# KiCad board LittleSixteen.kicad_pcb (continued)
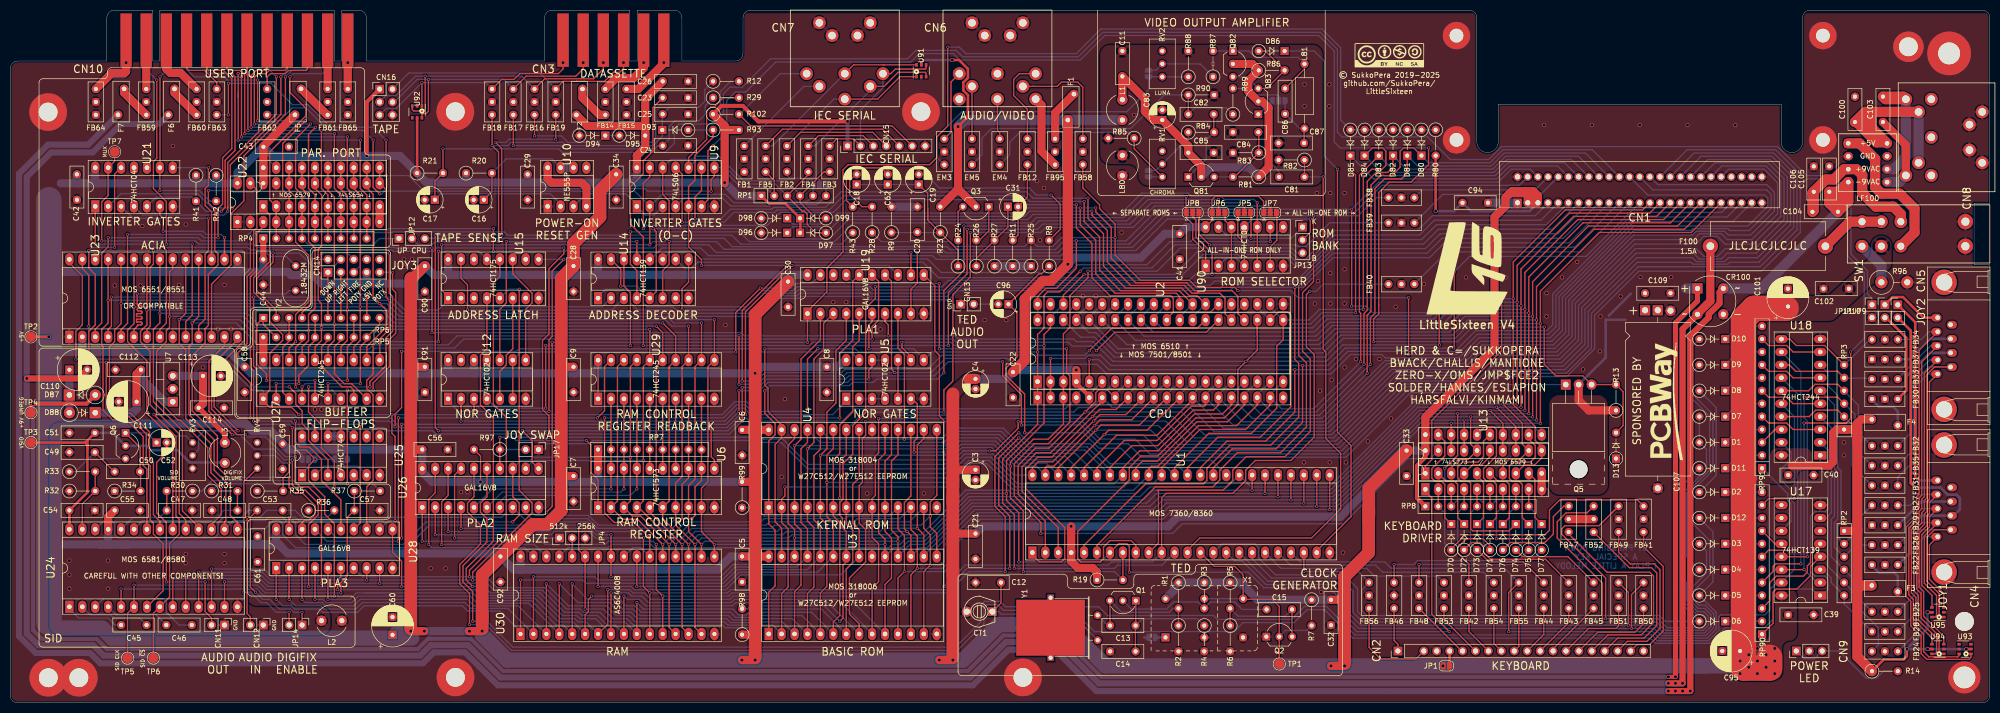
[diagram p0: board, top side]
## Nets (continued)
Net-(R35-Pad2): R35.2 RV4.2
Net-(R37-Pad2): R37.2 U25.5
Net-(R96-Pad1): R96.1 SW1.3
Net-(RP5-Pad2): RP5.2 RP6.1 U27.5
Net-(RP5-Pad3): RP5.3 RP6.3 U27.3
Net-(RP5-Pad4): RP5.4 U27.7
Net-(RP5-Pad5): RP5.5 RP6.5 U27.2
Net-(RP5-Pad6): RP5.6 U27.8
Net-(RP5-Pad7): RP5.7 U27.9
Net-(RP5-Pad8): RP5.8 RP6.8 U27.4
Net-(RP5-Pad9): RP5.9 RP6.10 U27.6
Net-(RP90-Pad1): RP90.1 U17.4
Net-(RP90-Pad3): RP90.3 U17.5
Net-(RP90-Pad9): RP90.9 U17.12
Net-(RP91-Pad1): RP91.1 U17.11
Net-(RV1-Pad1): RV1.1
Net-(RV2-Pad1): RV2.1
Net-(RV4-Pad3): RV4.3
Net-(U5-Pad2): U5.2 U5.3 U5.4
Net-(U5-Pad10): U5.5 U5.10
Net-(U10-Pad5): U10.5
Net-(U12-Pad1): U12.1 U15.9
Net-(U12-Pad4): U12.4 U14.14
Net-(U12-Pad5): U12.5 U15.6
Net-(U12-Pad8): U12.8 U15.11
Net-(U12-Pad10): U12.10 U14.13
Net-(U12-Pad13): U12.13
Net-(U14-Pad2): U14.2 U15.2
Net-(U14-Pad3): U14.3 U15.15
Net-(U15-Pad3): U15.3
Net-(U15-Pad7): U15.7
Net-(U15-Pad10): U15.10
Net-(U15-Pad14): U15.14
Net-(U17-Pad6): U17.6
Net-(U17-Pad7): U17.7
Net-(U17-Pad9): U17.9
Net-(U17-Pad10): U17.10
Net-(U21-Pad10): U21.10
Net-(U21-Pad11): U21.11
Net-(U25-Pad2): U25.2 U25.6
Net-(U25-Pad8): U25.8
Net-(U92-Pad4): U92.4
Net-(U93-Pad1): U93.1
Net-(U93-Pad6): U93.6
Net-(U102-Pad39): U102.39

## Via types
v1: diameter 0.6, hole 0.4, Top to Bottom, 456 vias
v2: diameter 0.8, hole 0.6, Top to Bottom, 166 vias

## Routing (per net, layer and track width the routed paths; a pad name or vN(x,y) marks a point on that pad's centre or on a via; arc(x,y) is an arc through that point)
+9V: length 512
  Top w0.5: v2(4.5,58.83) 4.08,58.41 TP4.1
  Top w0.8: v2(4.5,58.83) 15,58.83 D87.2 ; v2(327.23,5.11) v2(325.83,5.11)
  Top w1: 327.23,22.25 327.23,74.7 331.55,79.02 CR100.1 ; 327.23,22.32 327.23,5.17
  Top w1.6: R13.1 310.2,57.5 308.2,59.49 Q5.2
  Bottom w0.5: 318.45,80.44 314.14,76.12 ; 313.51,69.63 313.51,75.34 ; 313.51,69.63 313.51,69.26 ; 313.51,69.63 313.51,67.89 Q5.2 ; 313.54,75.33 317.45,75.33
  Bottom w0.8: 82.5,12.6 90.5,12.6 96.85,6.25 188.16,6.25 195.15,13.24 206.28,13.24 214.4,5.11 v2(327.23,5.11) ; 82.5,12.6 82.37,12.6 ; 82.5,12.6 82.12,12.6 80.09,10.57 19,10.57 17,12.56 6.21,12.56 4.52,14.25 4.52,14.44 4.5,14.46 v2(4.5,58.83)
  Bottom w2: CR100.1 329.31,81.48
+9VAC: length 562.4
  Top w1.2: CR100.2 328.63,73.48 v2(328.63,3.84) v2(327.23,3.84) v2(325.83,3.84) ; v2(3.25,63.78) 13.42,63.78 C110.2
  Top w1.6: CR100.2 331.55,76.48 334.09,79.02 334.09,89.02
  Bottom w1.2: v2(328.63,3.84) 213.94,3.84 205.82,11.97 195.66,11.97 188.67,4.98 96.34,4.98 89.99,11.33 82.63,11.33 80.59,9.3 18.37,9.3 16.33,11.33 5.54,11.33 3.25,13.62 3.25,103.41 8.08,108.23 16.21,108.23 21.79,113.82 29.28,113.82 F6.1
-9VAC: length 593.8
  Top w1.2: v2(325.83,2.31) v2(327.23,2.31) v2(328.63,2.31) v2(330.15,2.31) 330.15,72.16 333.77,75.78 333.77,76.42 335.9,78.55 335.9,80.76 CR100.4
  Top w2: C104.2 357.45,98.25 C105.1 359.29,100.49 LF100.4 ; C104.2 359.15,98.88 359.61,99.34 359.61,100.81 LF100.4 ; C104.2 361.19,98.59 LF100.4
  Bottom w1.2: 270.84,2.31 v2(330.15,2.31) ; 270.84,2.31 271.48,2.31 ; 270.84,2.31 213.44,2.31 205.31,10.44 196.17,10.44 189.18,3.46 95.84,3.46 89.36,9.93 83.26,9.93 81.1,7.77 49.39,7.77 49.39,7.78 47.85,7.78 47.85,7.77 17.73,7.77 15.7,9.81 5.03,9.81 1.73,13.11 1.73,104.04 7.44,109.76 15.32,109.76 F7.1
  Bottom w2: CR100.4 344.09,81.48 C104.2
AGND: length 0
  Top w0.25: 49.77,15.3 CN12.1
  vias: v2(11.63,27.98) v2(11.63,25.21) v2(11.63,22.44) v2(19.25,27.98) v2(19.25,25.21) v2(19.25,22.44) v2(34.49,29.24) v2(34.49,27.46) v2(42.11,29.24) v2(42.11,27.46)
GND: length 38.5
  Top w0.5: 204.44,9.89 204.44,15.79
  Top w1.6: U22.10 U122.12 ; 306.25,36.12 311.15,36.12 ; U13.10 U20.10
  Bottom w0.5: JP2.1 222.83,12.85
  Bottom w1.6: U25.12 U25.11 ; R27.1 R11.1 R25.1 ; C94.2 CN1.1 ; R9.2 C20.2
  vias: v2(20.52,82.07) v2(25.6,82.07) v2(25.98,93.75) v2(26.87,109.5) v2(31.95,109.5) v2(33.22,82.2) v2(34.49,94.07) v2(37.88,65.96) v2(40.84,73.56) v2(42.11,82.2) v2(43.38,73.56) v2(59.89,57.69) v2(61.16,57.69) v2(62.43,57.69) v2(63.7,57.69) v2(77.42,87.2) v2(77.42,85.75) v2(78.94,87.2) v2(82.63,26.44) v2(85.55,26.44) v2(88.6,41.43) v2(89.87,41.43) v2(96.34,15.39) v2(140.54,74.32) v2(151.59,44.45) v2(152.22,59.72) v2(161.75,78.77) v2(164.29,78.77) v2(168.42,41.17) v2(171.02,73.43) v2(171.91,62.38) v2(179.53,41.17) v2(187.15,75.26) v2(191.47,75.26) v2(195.74,75.26) v2(201.75,102.64) v2(202.39,90.96) v2(203.15,101.25) v2(210.77,80.04) v2(213.31,80.04) v2(218.39,92.49) v2(254.2,47.27) v2(256.36,78.51) v2(256.74,100.23) v2(257,82.96) v2(257.38,61.37) v2(257.63,21.79) v2(259.22,121.6) v2(259.22,117.3) v2(259.28,47.27) v2(259.41,100.24) v2(259.41,84.48) v2(259.41,78.51) v2(259.67,63.53) v2(261.87,29.54) v2(262.2,100.24) v2(262.2,85.25) v2(262.2,78.51) v2(262.2,65.94) v2(262.46,47.27) v2(264.49,67.59) v2(266.78,51.4) v2(269.06,67.59) v2(271.35,55.91) v2(272.24,77.88) v2(275.53,60.2) v2(277.79,82.33) v2(282.28,82.33) v2(285.88,60.2) v2(286.07,83.66) v2(288.67,83.66) v2(292.22,60.2) v2(293.65,61.62) v2(293.83,83.66) v2(301.42,113.59) v2(301.89,80.55) v2(301.89,75.98) v2(304.94,83.66) v2(307.93,86.7) v2(309.07,65.56) v2(310.81,113.59) v2(312.37,69.12) v2(312.5,75.98) v2(316.43,79.91) v2(320.2,113.59) v2(320.37,83.72) v2(326.39,83.72) v2(329.59,113.59) v2(338.98,113.59) v2(360.38,51.21) v2(360.38,48.67)
VCC: length 2559.7
  Top w0.25: U29.20 U29.1 ; U90.14 236.14,94.79 JP6.1 236.14,98.93 236.81,99.6 245.31,99.6 246.3,98.61 JP7.1 ; 92.43,43.61 92.28,43.46 ; R97.2 92.43,48.52 92.43,43.48 v2(92.41,43.46)
  Top w0.5: v2(7.6,71.96) TP2.1 ; v2(186.26,113.31) 188.2,115.25 188.2,119.5 187.3,120.4 187.3,122 188.2,122.9 188.2,124.66 186.46,126.4 v2(185.12,126.4) ; RP1.1 149.1,98.2 152.3,98.2 D99.1 ; v2(376.76,10.57) 376.77,10.58 377.7,10.58 ; 212.04,60.29 U2.5 ; 363.11,15.3 362.96,15.45 ; 155.27,95.28 155.27,92.49 ; R80.2 v2(280.11,96.68) ; U95.5 v2(376.76,17.81) ; 49.77,87.21 49.76,87.2 ; v2(384.38,10.57) U93.5 ; v2(179.02,126.4) 179.03,126.38 U91.5 ; R14.1 368.15,8.54 372.06,8.54 372.69,9.18 v2(372.69,10.57) ; U102.4 209.5,62.83 ; U92.5 R21.1
  Top w0.8: RP8.1 276.43,40.29 276.43,46.64 278.08,48.29 U13.20 ; v2(164.54,114.33) 147.02,114.33 143.97,117.38 139.76,117.38 R102.1 ; v2(70.05,107.54) 70.05,118.14 CN16.1 ; 209.5,62.83 212.04,60.29
  Top w1.2: 49.74,91.31 49.74,87.21
  Top w1.6: v2(185.24,8.41) v2(182.58,8.41) ; v2(262.2,7.27) v2(259.54,7.27) ; v2(146.38,8.41) v2(143.78,8.41) ; 90.12,14.09 92.79,14.09 ; v2(78.73,14.09) v2(81.39,14.09) ; U13.20 U20.20 278.08,56.16 291.67,69.75 291.67,95.53 293.83,97.69 293.83,99.36 294.45,99.98 ; 79.07,66.71 79.71,66.07 C91.1 ; R19.1 213.56,25.68 212.74,26.51 209.82,26.51 208.48,27.84 U1.4 v2(208.48,34.7) ; 78.73,50.16 79.07,49.81 C56.1 ; RP7.1 U6.20 ; R99.2 146,43.46 ; R102.1 140.39,113.48 140.39,113.08 ; 298.12,100.13 298.2,100.05 ; 298.2,100.05 297.64,100.61 ; 298.2,100.05 CN1.2 ; 342.47,44.22 340.59,46.1 ; F2.1 113.42,113.44 124.79,113.44 124.79,113.44 ; R93.2 140.83,112.65 140.39,113.08 ; Q3.2 186.26,101.04 186.26,101.04 ; C9.2 108.92,66.07 108.28,66.71 ; 294.45,99.98 295.08,100.61 297.64,100.61 ; 294.45,99.98 294.6,100.13 ; U10.8 105.61,103.03 106.38,102.26 112.34,102.26 113.23,101.37 U10.4 ; C3.1 186.09,45.83 ; v2(186.26,113.31) 186.26,101.04 ; 186.26,101.04 R23.2 ; 124.79,113.44 124.79,109.25 123.14,107.6 U9.14 ; 124.79,113.44 124.79,118.78 C26.2 ; CN1.2 CN1.3 300.2,99.7 ; CN1.2 299.57,99.7 300.2,99.7 ; 140.39,113.08 140.39,102.16 ; 300.2,99.7 299.29,100.61 297.64,100.61 ; U3.28 146.56,28.78 ; 146.56,28.78 146.38,28.61 ; 146.56,28.78 C5.1 ; U27.20 RP5.1 ; F5.1 49.76,109.43 C43.1 ; 363.13,55.15 362.83,54.85 363.73,55.75 F4.1 ; C6.1 145.7,53.67 ; RP3.1 358.9,53.75 358.22,53.07 358.22,47.4 357.46,46.64 350.08,46.64 ; RP3.1 361.66,53.75 ; RP3.1 362.49,53.75 ; 49.76,108.96 49.76,102.17 ; U24.25 19.25,36.57 C55.1 ; 146.33,15.83 146.38,15.78 ; 146.3,39.45 146.38,39.53 ; v2(209.5,65.44) U102.4 ; 362.49,53.67 362.96,53.2 ; C7.1 108.53,44.61 ; 108.53,39.91 108.28,39.66 ; R98.1 146.2,13.42 ; C21.1 186.43,33.27 ; 262.2,20.27 C32.1 ; RP2.1 362.96,33.81 ; 294.72,100.23 298.24,100.23 ; U4.28 147.06,53.67 ; 362.96,33.86 363.17,34.07
  Top w2: C90.1 79.07,83.47 ; 207.83,96.19 207.83,98.73 ; 207.83,96.19 v2(207.83,86.24) 204.55,82.96 202.9,82.96 199.34,79.4 199.34,67.31 C22.1 ; 207.83,96.19 F1.1 ; 362.96,51.76 362.96,9.09 R14.1 ; C4.1 188.21,63.71 ; 363.57,23.07 F3.1 ; 362.96,54.64 362.96,51.59
  Top w2.5: 78.73,35.81 78.73,52.01 ; 185.24,41.18 185.24,39.4 ; 185.24,39.4 185.24,43.97 ; 185.24,39.4 185.24,24.92 ; 185.24,43.97 185.24,42.45 ; 185.24,43.97 185.24,60.74 ; 262.2,7.71 262.2,16.09 ; 146.38,8.85 146.38,17.73 ; 262.2,14.76 262.2,24.8 266.94,29.53 266.94,35.62 266.97,37.5 266.97,42.18 C33.1 ; 78.73,83.47 78.73,52.35 ; 146.38,15.78 146.38,76.36 C30.1 ; 108.28,41.43 108.28,83.47 C28.1 110.69,90.33 115.9,95.54 115.9,100.74 C34.1 ; 108.28,41.43 108.28,39.66 ; 108.28,41.43 108.28,37.8 105.56,35.08 102.69,35.08 92.75,25.14 92.75,15.94 ; 266.95,36.54 266.95,38.39 ; 92.75,17.71 92.75,14.57 ; 185.24,26.38 185.24,8.85 ; 78.73,14.54 78.73,35.46
  Top w5: 340.59,6.83 340.59,75.49 342.67,77.57 348.96,77.57 ; 345.75,6.81 345.75,8.95 ; 340.9,6.83 345.39,6.83
  Bottom w0.25: 66.28,47.53 66.28,49.15 ; 61.22,49.15 60.56,49.81 ; R102.1 139.52,117.14 139.52,120.17 141.56,122.21 R12.2 ; U102.6 212.04,60.61 U2.5 ; 115.52,59.34 U29.1 ; 57.35,47.53 57.35,49.59
  Bottom w0.5: v2(280.11,96.68) 283.73,96.68 C94.1 287.03,96.68 298.55,96.68 CN1.3 ; 49.76,65.15 50.11,64.8 ; 376.76,17.73 376.76,14.64 v2(372.69,10.57) v2(376.76,10.57) v2(384.38,10.57) ; v2(179.02,126.4) v2(185.12,126.4)
  Bottom w0.8: v2(164.54,114.33) CN15.1
  Bottom w1.6: U13.20 C33.1 261.39,36.61 229.44,36.61 227.54,34.7 v2(208.48,34.7) 191.12,34.7 C21.1 ; 85.85,84.15 86.06,84.36 U15.16 ; 85.85,84.15 110.96,84.15 ; 85.85,84.15 83.21,84.15 C90.1 78.05,82.45 61.19,82.45 59.54,84.1 55.19,84.1 54.56,84.74 44.94,84.74 ; C4.1 195.74,63.71 C22.1 197.05,65.06 197.44,65.44 v2(209.5,65.44) U102.4 ; 17.73,31.14 18.87,31.14 19.25,31.52 ; 17.73,31.14 23.06,31.14 ; 17.73,31.14 8.11,31.14 7.6,30.63 ; 19.25,31.52 U24.25 ; 19.25,31.52 19.64,31.14 23.06,31.14 ; 110.82,64.8 110.69,64.93 C9.2 ; 110.82,64.8 93.68,64.8 ; 110.82,64.8 115.39,64.8 ; 115.39,64.8 115.52,64.93 U29.20 ; 115.39,64.8 v2(146.38,64.8) 147.65,66.07 162.71,66.07 164.29,67.64 ; C29.1 101.68,102.44 ; 7.6,84.99 7.85,84.74 44.94,84.74 ; 46.81,31.14 50.24,31.14 ; 46.81,31.14 48.21,31.14 48.59,31.52 ; 46.81,31.14 23.06,31.14 ; 50.24,31.14 48.97,31.14 48.59,31.52 ; 50.24,31.14 52.78,31.14 53.16,30.76 ; 50.24,31.14 51.89,31.14 52.27,31.52 ; 14.17,68.99 U23.2 ; 14.17,68.99 9.22,68.99 ; 14.17,68.99 43.16,68.99 C58.1 47.35,64.8 79.97,64.8 ; 79.97,64.8 81.1,64.8 81.48,65.18 ; 79.97,64.8 82.62,64.8 ; 100.28,26.19 139.02,26.19 141.61,28.78 C5.1 ; 100.28,26.19 U30.32 ; 100.28,26.19 98.94,26.19 C92.1 95.76,29.36 54.56,29.36 53.16,30.76 ; C59.1 54.69,49.81 C56.1 U26.20 80.98,45.37 82.88,43.46 110.57,43.46 110.69,43.59 C7.1 ; 110.96,84.15 110.69,84.42 C28.1 ; 110.96,84.15 115.85,84.15 ; 13.35,102.17 13.03,102.48 13.03,103.92 ; 13.35,102.17 16.91,102.17 ; 13.35,102.17 9.94,102.17 ; 81.48,65.18 81.87,64.8 82.62,64.8 ; 81.48,65.18 C91.1 ; X1.14 228.68,22.13 228.68,22.76 R1.1 R3.1 R5.1 241.76,23.65 245.13,20.27 259.46,20.27 ; 152.86,84.15 152.86,82.89 ; 115.85,84.15 115.52,84.49 U14.16 ; 115.85,84.15 U19.20 ; 48.59,31.52 48.62,31.56 C61.1 ; 115.77,43.59 115.65,43.46 110.82,43.46 ; 93.68,64.8 93.68,67.39 U12.11 ; 93.68,64.8 91.13,64.8 ; 44.68,102.17 44.68,104.26 C43.1 51.56,107.54 76.58,107.54 ; 91.13,64.8 91.13,67.39 91.14,67.39 ; 91.13,64.8 85.93,64.8 ; 36.43,102.26 36.34,102.17 ; 36.34,102.17 16.91,102.17 ; 36.34,102.17 40.4,102.17 40.39,102.17 ; 49.73,84.74 C44.1 ; 16.91,102.17 16.63,102.44 16.63,105.24 ; 82.62,64.8 85.93,64.8 ; 49.76,67.39 49.76,65.15 ; 53.16,30.76 52.4,31.52 52.27,31.52 ; U12.14 86.06,64.93 85.93,64.8 ; 7.6,56.01 8.71,54.89 46.24,54.89 47.7,53.43 51.2,53.43 53.54,51.08 ; 44.68,87.2 44.68,86.8 ; U23.15 44.65,84.99 ; R41.1 36.51,102.26 ; 115.9,43.46 R99.2 ; 52.27,31.55 U28.20 ; R42.1 40.47,102.17 ; 44.94,84.74 44.68,84.99 ; 119.05,103.89 C34.1 ; R20.1 89.58,102.4 ; 9.22,68.35 7.6,69.98 ; 57.35,49.94 U25.14 ; U90.14 231.14,93.55 C41.1 226.9,92.23 222.2,87.54 209.12,87.54 v2(207.83,86.24) ; 52.27,31.52 52.3,31.55 ; RP1.1 142.98,99.7 v2(140.39,102.29) 81.83,102.29 R21.1 76.58,107.54 ; U6.20 115.52,43.84 ; 105.61,105.36 105.61,102.39 ; 123.14,105.29 123.14,102.33 ; v2(92.75,14.09) 75.42,14.09 ; 70.05,82.45 CN14.7 ; 115.65,43.59 115.77,43.46 ; 44.68,102.17 40.43,102.17 ; 119.08,102.29 119.08,103.89
  Bottom w2: 203,114.6 187.55,114.6 v2(186.26,113.31) ; 203.02,114.6 L1.1
  Bottom w3: 7.54,14.66 12.23,14.66 ; 330.4,7.27 215.22,7.27 207.09,15.39 194.26,15.39 187.27,8.41 97.67,8.41 92.75,13.33 ; 330.4,7.27 333.58,7.27 ; 330.4,7.27 341.1,7.27 341.38,6.99 ; 78.91,12.73 20.02,12.73 18.08,14.66 8.68,14.66
  Bottom w5: 7.6,15.74 7.6,98.93
  vias: v2(90.25,14.09) v2(281.56,7.27) v2(339.93,8.22) v2(339.93,5.75) v2(341.63,9.46) v2(341.63,6.99) v2(343.33,10.7) v2(343.33,8.22) v2(343.33,5.75) v2(345.04,9.46) v2(345.04,6.99) v2(346.74,10.7) v2(346.74,8.22) v2(346.74,5.75)
VDD: length 75
  Top w1.6: R81.1 247.28,105.35 247.28,117.01 246.02,118.27 Q83.2 243.28,120.25 243.28,122.3 R86.1 244.07,125.63 240.27,125.63 240.26,125.64 ; L1.2 C11.1 222.96,118.76 222.96,116.27 224.63,114.6 C83.1 231.5,109.49 C85.1 234.04,105.63 Q81.2
  Bottom w1.6: Q81.2 235.94,105.32 243.44,105.32 R81.1
/Datassette & Serial Bus/iec_atn: length 66.5
  Top w0.25: FB5.1 151.75,112.8 171.4,112.8 CN15.5 ; 163.03,123.72 CN7.3 165.73,125.45 171.71,125.45 ; 171.47,125.45 171.71,125.45 ; 171.71,125.45 U91.6
  Bottom w0.25: CN7.3 149.78,109.5 FB5.1
/Datassette & Serial Bus/iec_clk: length 45.1
  Top w0.25: 172.3,121.81 174.48,123.98 179.78,123.98 179.98,123.78 U91.3 ; 172.3,121.81 171.71,121.22 CN7.4 ; 172.3,121.81 172.14,121.64 ; FB4.1 158.86,111.53 167.59,111.53 CN15.3
  Bottom w0.25: FB4.1 158.11,109.5 169,120.39 CN7.4
/Datassette & Serial Bus/iec_dat: length 34.9
  Top w0.25: CN7.5 173.04,123.72 173.94,124.62 179.78,124.62 179.98,124.82 U91.4 ; FB3.1 162.41,110.9 165.69,110.9 CN15.2 ; 171.98,124.62 170.53,123.17
  Bottom w0.25: CN7.5 171.5,120.97 167.08,116.55 CN15.2
/Datassette & Serial Bus/iec_rst: length 52.8
  Top w0.25: CN7.6 170.45,118.72 174.86,123.13 U91.1 ; FB2.1 155.3,112.17 169.5,112.17 CN15.4
  Bottom w0.25: FB2.1 161.85,118.72 CN7.6
/Datassette & Serial Bus/iec_srq: length 53.2
  Top w0.25: CN15.6 173.31,113.44 145.51,113.44 R102.2
  Bottom w0.25: CN7.1 151.32,123.72 143.35,115.74 R102.2
/Datassette & Serial Bus/tape_+5v: length 14.7
  Top w1.6: FB14.1 119.08,122.84 122.5,122.84 124.48,124.82 CN93.2
  vias: v2(124.48,125.88)
/Datassette & Serial Bus/tape_gnd: length 14
  Top w1.6: FB15.1 123.41,120.7 128.44,125.73 CN93.1
  vias: v2(128.44,125.88)
/Datassette & Serial Bus/tape_mtr: length 55.7
  Top w0.25: 120.52,130.7 120.52,124.73 119.77,123.98 118.56,123.98 116.79,122.21 112.82,122.21 112.8,122.23 111.34,122.23 111.32,122.21 108.71,122.21 FB19.1
  Bottom w0.25: 75.13,120.68 78.31,123.85 104.05,123.85 FB19.1
  vias: v2(120.52,125.88)
/Datassette & Serial Bus/tape_mtr2: length 337.8
  Top w0.25: v1(107.2,110.84) FB19.2 ; v1(95.4,110.21) 96.6,109.01 v1(96.6,91.98) ; v1(195.02,67.08) 195.02,64.29 198.7,60.61 v1(198.7,54.64) ; v1(84.15,53.49) 83.52,54.13 v1(83.52,91.98) ; v1(143.84,62) v1(143.84,55.4)
  Bottom w0.25: v1(143.84,55.4) 141.3,52.86 100.26,52.86 99.63,53.49 v1(84.15,53.49) ; v1(198.7,54.64) 210.39,54.64 214.07,50.95 219.66,50.95 222.33,48.29 262.46,48.29 275.16,60.99 290.02,60.99 291.61,62.58 Q5.1 ; v1(195.02,67.08) 184.35,67.08 181.56,64.29 164.8,64.29 164.16,63.65 148.67,63.65 147.02,62 v1(143.84,62) ; v1(95.4,110.21) 97.42,110.21 98.06,110.84 107.2,110.84 ; v1(83.52,91.98) v1(96.6,91.98)
/Datassette & Serial Bus/tape_read: length 64.8
  Top w0.25: U92.3 79.01,116.68 79.33,116.36 81.23,116.36 81.55,116.68 81.55,123.16 81.61,123.22 ; FB16.1 105.04,122.71 114.62,122.71 116.56,124.66 116.56,130.7
  Bottom w0.25: 81.61,123.22 100.51,123.22 FB16.1 ; CN16.3 73.86,119.41 75.83,119.41 79.65,123.22 v1(81.55,123.22)
  vias: v2(116.56,125.88)
/Datassette & Serial Bus/tape_sense: length 55.8
  Top w0.25: v2(108.64,125.88) 108.64,130.7 ; 80.98,121.95 80.91,121.89 U92.1 ; FB18.1 96.58,122.59 99.01,122.59 100.15,123.73 107.71,123.73 108.64,124.66 CN93.6
  Bottom w0.25: 80.98,121.95 93.44,121.95 FB18.1 ; v1(80.91,121.95) 75.83,116.87 73.86,116.87 72.59,115.6
/Datassette & Serial Bus/tape_wr: length 56.5
  Top w0.25: CN93.5 112.6,124.68 111.14,123.22 101.38,123.22 FB17.1 ; U92.6 80.91,115.66 81.1,115.86 81.74,115.86 82.18,116.3 v1(82.18,122.59)
  Bottom w0.25: 111.59,126.43 111.91,126.11 ; 75.13,118.14 75.52,118.14 79.97,122.59 v1(82.18,122.59) 96.97,122.59 FB17.1 ; 74.88,118.14 74.63,118.14
  vias: v2(112.6,125.88)
/Datassette & Serial Bus/tape_wr2: length 52.2
  Top w0.25: FB17.2 v1(98.86,109.57)
  Bottom w0.25: R29.1 136.6,117.45 136.6,115.73 135.33,114.45 130.63,114.45 129.49,113.32 129.49,110.82 C24.2 127.25,109.55 126.63,108.93 108.85,108.93 108.22,109.57 v1(98.86,109.57)
/Datassette & Serial Bus/~{p3}: length 300.3
  Top w0.25: D13.2 316.94,54.52 316.94,61.18 R13.2 Q5.3 309.03,64.29 303.73,64.29 303.17,64.86 ; 303.17,64.86 303.23,64.8 ; 303.17,64.86 301.45,66.58 v1(301.45,73.88) ; U9.6 137.11,98.89 137.11,108.54 v1(138.13,109.55) ; v1(278.72,109.12) 278.72,105.82 275.29,102.39 270.97,102.39 268.94,100.36 268.94,76.48 267.92,75.47 v1(267.92,71.02)
  Bottom w0.25: v1(138.13,109.55) 140.79,112.22 140.79,118.4 142.5,120.1 144.53,120.1 150.44,126.01 176.99,126.01 178.64,127.66 185.31,127.66 186.57,126.4 210.27,126.4 215.09,131.22 257.12,131.22 260.17,128.17 260.17,110.27 261.32,109.12 v1(278.72,109.12) ; v1(267.92,71.02) 284.43,71.02 287.28,73.88 v1(301.45,73.88)
/Joysticks/1d: length 43.1
  Bottom w0.25: U18.4 357.84,54.13 357.84,45.75 358.47,45.11 358.47,36.73 357.84,36.1 357.84,28.73 RP2.4 363.17,23.4 363.17,20.59 FB25.1
/Joysticks/1f: length 16.8
  Bottom w0.25: FB28.1 360.38,19.48 360.38,21.16 360.32,21.11 ; U17.3 356.19,26.19 357.84,24.54 357.84,23.65 RP2.6
/Joysticks/1l: length 41.6
  Bottom w0.25: U18.6 358.47,58.57 358.47,46 359.11,45.37 359.11,36.1 358.47,35.46 358.47,30.63 RP2.3 362.63,30.98 362.63,31.03 FB26.1
/Joysticks/1r: length 47.5
  Bottom w0.25: FB27.1 361.9,34.9 361.9,32.79 RP2.2 359.11,32.54 359.11,34.89 359.74,35.52 359.74,45.62 359.11,46.26 359.11,60.48 357.2,62.38 357.2,64.37 357.2,64.38 357.2,64.92 U18.8
/Joysticks/1u: length 46.9
  Bottom w0.25: FB24.1 367.11,11.39 367.11,14.76 361.9,19.97 361.9,22.13 RP2.5 357.2,26.82 357.2,29.19 357.2,29.2 357.2,30.8 357.2,30.8 357.2,31.73 357.2,31.74 357.2,33.34 357.2,33.34 357.2,36.73 357.84,37.37 357.84,44.86 357.2,45.49 357.2,47.61 357.2,47.61 357.2,49.73 355.72,51.21 U18.2
/Joysticks/2d: length 26.4
  Top w0.25: RP3.4 359.11,62.64 354.66,62.64 353.39,61.37 348.07,61.37
  Bottom w0.25: 360.38,61.29 363.17,58.5 363.17,53.21 FB32.1
/Joysticks/2f: length 59.6
  Top w0.25: v1(352.51,60.1) 359.11,60.1 RP3.3 ; U17.13 v1(353.14,28.73)
  Bottom w0.25: FB35.1 362.54,49.94 362.54,56.67 RP3.3 ; v1(353.14,28.73) 353.14,55.4 352.51,56.02 v1(352.51,60.1) 352.5,60.09
/Joysticks/2l: length 18.9
  Top w0.25: 348.07,66.45 349.58,66.45 350.85,65.18 359.11,65.18 RP3.5
  Bottom w0.25: FB33.1 365.65,63.83 360.38,63.83
/Joysticks/2r: length 22
  Top w0.25: 348.07,71.53 349.71,71.53 350.98,70.26 356.57,70.26 RP3.6
  Bottom w0.25: FB34.1 365.46,71.45 360.38,66.37
/Joysticks/2u: length 29.6
  Top w0.25: RP3.2 359.11,57.56 354.79,57.56 353.52,56.29 348.07,56.29
  Bottom w0.25: 360.76,56.29 RP3.2 361.9,54.76 361.9,46.68 FB31.1
/Joysticks/b1d: length 26.6
  Top w0.25: v1(350.6,40.16) 345.52,40.16 RP90.11
  Bottom w0.25: v1(350.6,40.16) 350.6,56.29 U18.16
/Joysticks/b1l: length 42.7
  Top w0.25: RP90.7 345.52,30 v1(351.23,30)
  Bottom w0.25: U18.14 351.23,60.73 v1(351.23,30)
/Joysticks/b1r: length 53
  Top w0.25: v1(351.87,27.33) 346.91,27.33 346.41,26.82 346.41,25.81 RP90.5
  Bottom w0.25: v1(351.87,27.33) 351.87,65.18 U18.12
/Joysticks/b1u: length 4.9
  Top w0.25: 344.26,51.21 346.8,53.75 U18.18
/Joysticks/b2d: length 12.5
  Top w0.25: U18.5 350.34,58.83 349.07,60.1 345.53,60.1 344.26,61.37
/Joysticks/b2l: length 12.5
  Top w0.25: 344.26,66.45 345.53,65.18 349.07,65.18 350.34,63.91 U18.7
/Joysticks/b2r: length 12.5
  Top w0.25: U18.9 350.34,68.99 349.07,70.26 345.53,70.26 344.26,71.53
/Joysticks/b2u: length 13.1
  Top w0.25: 344.26,56.29 345.53,55.02 346.28,55.02 ; 346.28,55.02 349.07,55.02 350.34,53.75 U18.3 ; 346.28,55.02 345.6,55.02
/Joysticks/f1d: length 44
  Top w0.25: CN4.2 378.75,35.42 376.12,32.8 376.12,23.53 378.54,21.11 378.54,17.18 378.22,16.86 U95.6
  Bottom w0.25: CN4.2 375.58,35.43 374.1,33.95 374.1,21.11 FB25.2
/Joysticks/f1f: length 50.4
  Top w0.25: CN4.6 378.12,34.04 376.63,32.56 376.63,23.91 379.05,21.5 379.05,17.18 379.36,16.86 U95.1
  Bottom w0.25: CN4.6 375.47,34.04 374.8,33.38 374.8,17.91 FB28.2
/Joysticks/f1l: length 33.8
  Top w0.25: U95.4 377.63,21.13 375.62,23.15 375.62,33.05 377.15,34.59 377.15,36.6 CN4.3
  Bottom w0.25: CN4.3 375.58,38.2 372.4,35.02 372.4,32.52 FB26.2
/Joysticks/f1r: length 42.1
  Top w0.25: 375.11,24.04 375.11,33.31 376.63,34.83 376.63,36.74 377.14,37.24 377.14,39.36 CN4.4 ; 375.11,24.04 375.11,22.77 376,21.88 376,17.05 379.95,13.1 U94.3 ; 375.11,24.04 375.11,23.65
  Bottom w0.25: FB27.2 373.4,38.84 375.53,40.97 CN4.4
/Joysticks/f1u: length 43.1
  Top w0.25: U95.3 379.95,21.48 377.14,24.29 377.14,31.05 CN4.1
  Bottom w0.25: FB24.2 375.5,14.7 375.5,32.05 376.11,32.66 CN4.1
/Joysticks/f2d: length 80.7
  Top w0.25: CN5.2 376.12,64.8 376.12,40.54 375.62,40.03 375.62,38.13 375.11,37.62 375.11,35.59 373.58,34.07 373.58,21.62 374.47,20.73 374.47,15.91 377.63,12.75 U94.4
  Bottom w0.25: CN5.2 377.23,67.43 373.33,63.53 373.33,52.96 FB32.2
/Joysticks/f2f: length 90
  Top w0.25: 377.7,9.63 378.23,9.63 378.54,9.94 378.54,12.73 374.98,16.29 374.98,21.11 374.09,22 374.09,33.81 375.62,35.34 375.62,37.37 376.12,37.88 376.12,39.78 376.63,40.29 376.63,64.56 378.12,66.04 CN5.6
  Bottom w0.25: FB35.2 373.97,49.69 373.97,63.02 376.99,66.04 CN5.6
/Joysticks/f2l: length 82.1
  Top w0.25: CN5.3 375.62,67.07 375.62,40.79 375.11,40.29 375.11,38.39 374.6,37.88 374.6,35.85 373.08,34.32 373.08,21.24 373.97,20.35 373.97,15.53 376,13.49 376,10.07 377.01,9.05 382.73,9.05 382.97,9.29 U93.3
  Bottom w0.25: CN5.3 377.33,70.2 370.92,63.79 FB33.2
/Joysticks/f2r: length 86.6
  Top w0.25: CN5.4 375.11,69.33 375.11,41.05 374.6,40.54 374.6,38.64 374.09,38.13 374.09,36.1 372.57,34.58 372.57,20.86 373.46,19.97 373.46,15.15 375.49,13.11 375.49,9.68 376.63,8.54 384.89,8.54 385.29,8.94 U93.4
  Bottom w0.25: FB34.2 375.54,71.45 377.05,72.97 CN5.4
/Joysticks/f2u: length 85.7
  Top w0.25: 380.02,9.63 379.35,9.63 379.05,9.94 379.05,13.11 375.49,16.67 375.49,21.5 374.6,22.38 374.6,33.56 376.12,35.08 376.12,37.12 376.63,37.62 376.63,39.52 377.14,40.03 377.14,63.05 CN5.1
  Bottom w0.25: CN5.1 376.87,64.66 374.6,62.39 374.6,48.04 370.92,44.36 FB31.2
/PLA & Chip Selection/addr_clk: length 110.3
  Top w0.25: v1(163.02,56.03) 163.02,68.73 165.56,71.27 165.56,82.88 U19.16 ; U12.2 v1(88.6,55.4)
  Bottom w0.25: v1(163.02,56.03) 146.13,56.03 144.22,57.94 142.95,57.94 140.41,55.4 v1(88.6,55.4)
/PLA & Chip Selection/rom_switch: length 80.6
  Top w0.25: U12.6 U12.9 ; v1(142.57,68.99) 142.57,76.74 v1(147.4,81.56)
  Bottom w0.25: v1(142.57,68.99) 100.35,68.99 U12.9 ; 152.86,81.56 v1(147.4,81.56) ; 152.86,81.56 151.84,81.56 ; 152.86,81.56 153.49,81.56 154.38,82.45 157.5,82.45 U19.19
/Power & Misc/in_+5v: length 47.4
  Top w1.6: 366.18,116.2 364.18,114.2 C100.1 366.69,110.01 LF100.8 ; 366.44,116.2 365.92,115.69 365.92,112.9
  Top w2: CN8.4 364.5,116.2 C100.1 364.62,114.2 LF100.8
  Bottom w2: CN8.4 CN8.5
/Power & Misc/in_+9avc: length 16.6
  Top w1.6: CN8.7 372.5,109.7 C103.1
  Bottom w2: CN8.7 371.19,102.39 LF100.5
/Power & Misc/in_-9vac: length 25.5
  Top w2: 368.5,118.7 C103.2 372,119.2 CN8.6 368.5,118.7
  Bottom w2: CN8.6 372.5,107.28 370.15,104.93 LF100.6
/RAM/a16: length 37
  Top w0.25: v1(82.25,31.14) 82.25,40.03 83.52,41.3 U26.19
  Bottom w0.25: U30.31 101.09,30.51 82.88,30.51 v1(82.25,31.14)
/RAM/a17: length 37
  Top w0.25: U26.18 86.06,40.79 84.79,39.52 v1(84.79,31.14)
  Bottom w0.25: U30.30 103,31.14 v1(84.79,31.14)
/RAM/a18: length 3.6
  Top w0.25: U30.28 JP4.2
/RAM/a18_from_pla: length 34.7
  Top w0.25: v1(87.33,32.41) 87.33,44.78 U26.17
  Bottom w0.25: JP4.1 v1(87.33,32.41)
/RAM/sram_ce: length 90.9
  Top w0.25: v1(116.79,56.03) 116.79,37.37 118.69,35.46 122.63,35.46 125.68,32.41 U30.22
  Bottom w0.25: v1(116.79,56.03) 140.16,56.03 142.7,58.57 144.48,58.57 146.38,56.67 161.62,56.67 164.29,59.34 164.29,60.02 ; U30.24 122.33,30.51 123.96,30.51 U30.22
/RAM/~{cs_ramwr}: length 127.4
  Top w0.25: v1(76.91,69.12) 76.91,58.07 75.64,56.8 v1(75.64,54.26) ; U25.13 59.89,54.13 v1(58.62,55.4)
  Bottom w0.25: v1(58.62,55.4) 74.5,55.4 v1(75.64,54.26) ; U5.13 165.23,68.99 147.78,68.99 147.14,69.62 100.03,69.62 99.52,69.12 v1(76.91,69.12)
/RAM/~{u3enable}: length 59
  Top w0.25: U6.1 115.52,43.84 114.12,45.24 114.12,50.7 v1(113.23,51.59)
  Bottom w0.25: U25.9 71.78,54.13 73.36,54.13 73.99,53.49 83.01,53.49 83.64,52.86 99.2,52.86 99.84,52.22 104.85,52.22 105.49,51.59 v1(113.23,51.59)
/ROMs/rom_a14: length 167.2
  Top w0.25: v1(184.35,70.26) 184.35,80.67 188.04,84.36 v1(188.04,93.12) ; v1(247.6,97.7) JP7.2 ; v1(148.29,69.62) 148.29,62.51 148.92,61.88 148.92,57.3 151.59,54.64 U4.27 151.59,52.1 150.32,50.83 150.32,35.59 151.59,34.32 U3.27